# Altium PCB SEEED ORDER METER (BOOTSTRAP).PcbDoc (part 1 of 3)
Units mm, origin at the board's own origin, x right, y up, seen from the top; angles counter-clockwise.
Board outline 150 x 100 mm, 2 copper layers (Top Layer, Bottom Layer); 267 components, 189 nets, 839 pads, 266 vias.
Unrouted connection lines stored in the file: 4.
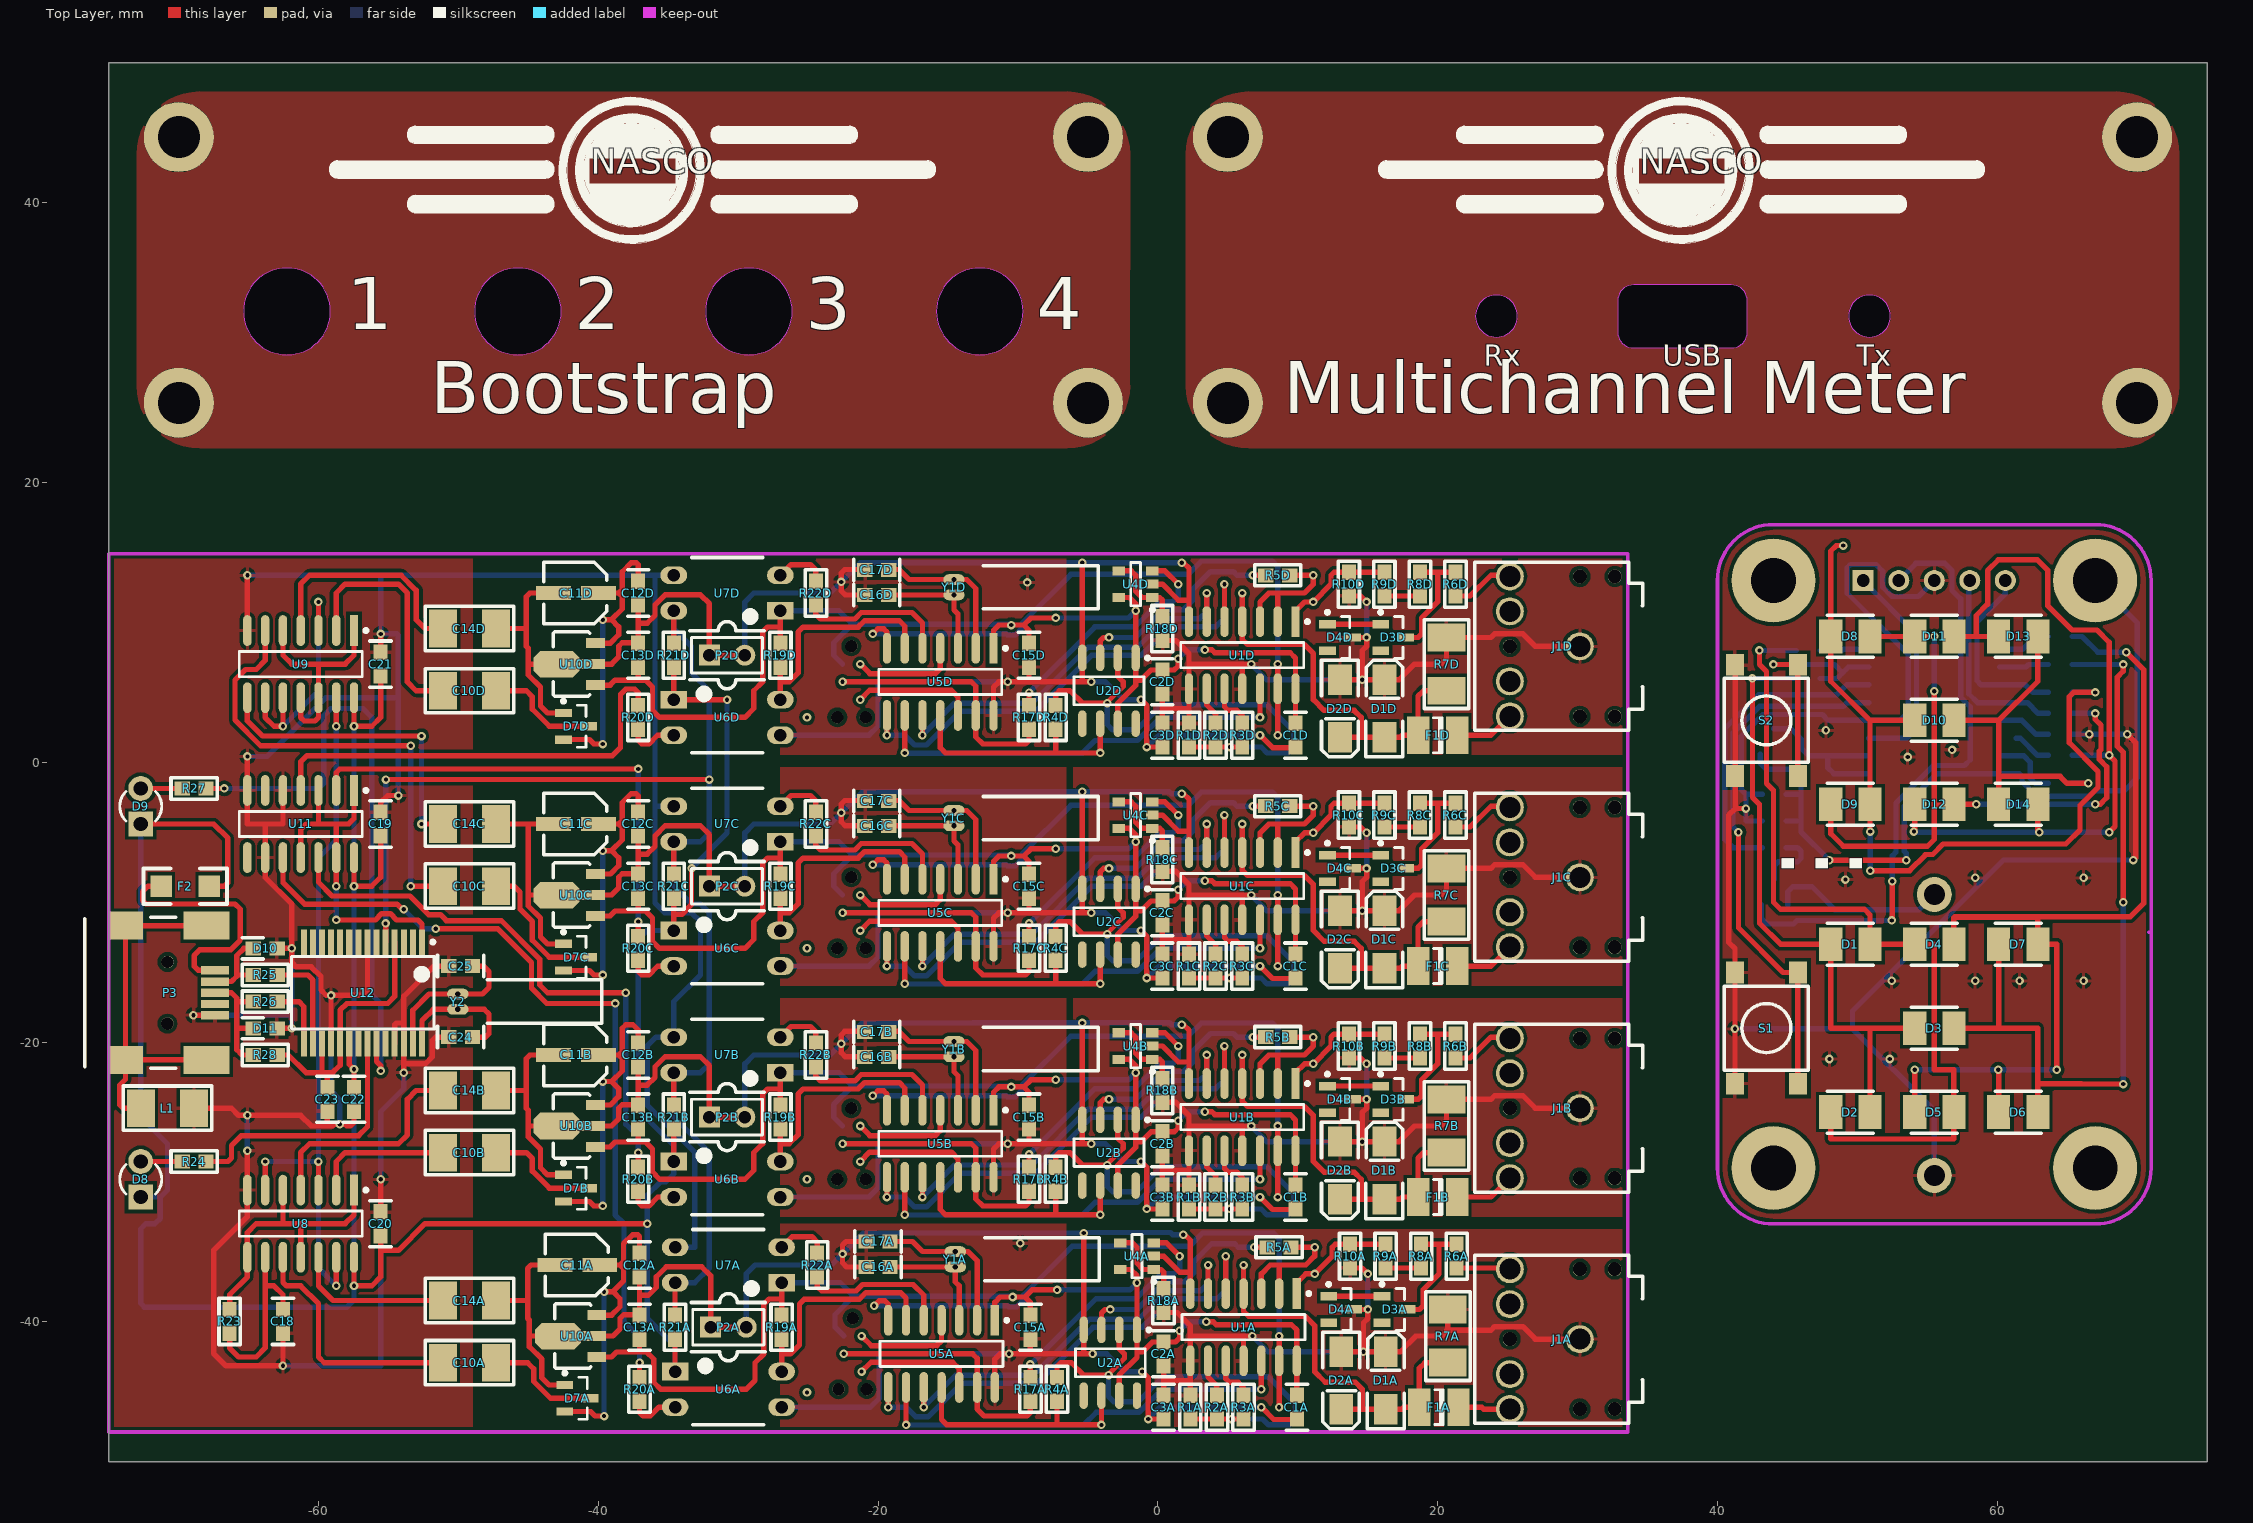
[diagram p0: Top Layer view]
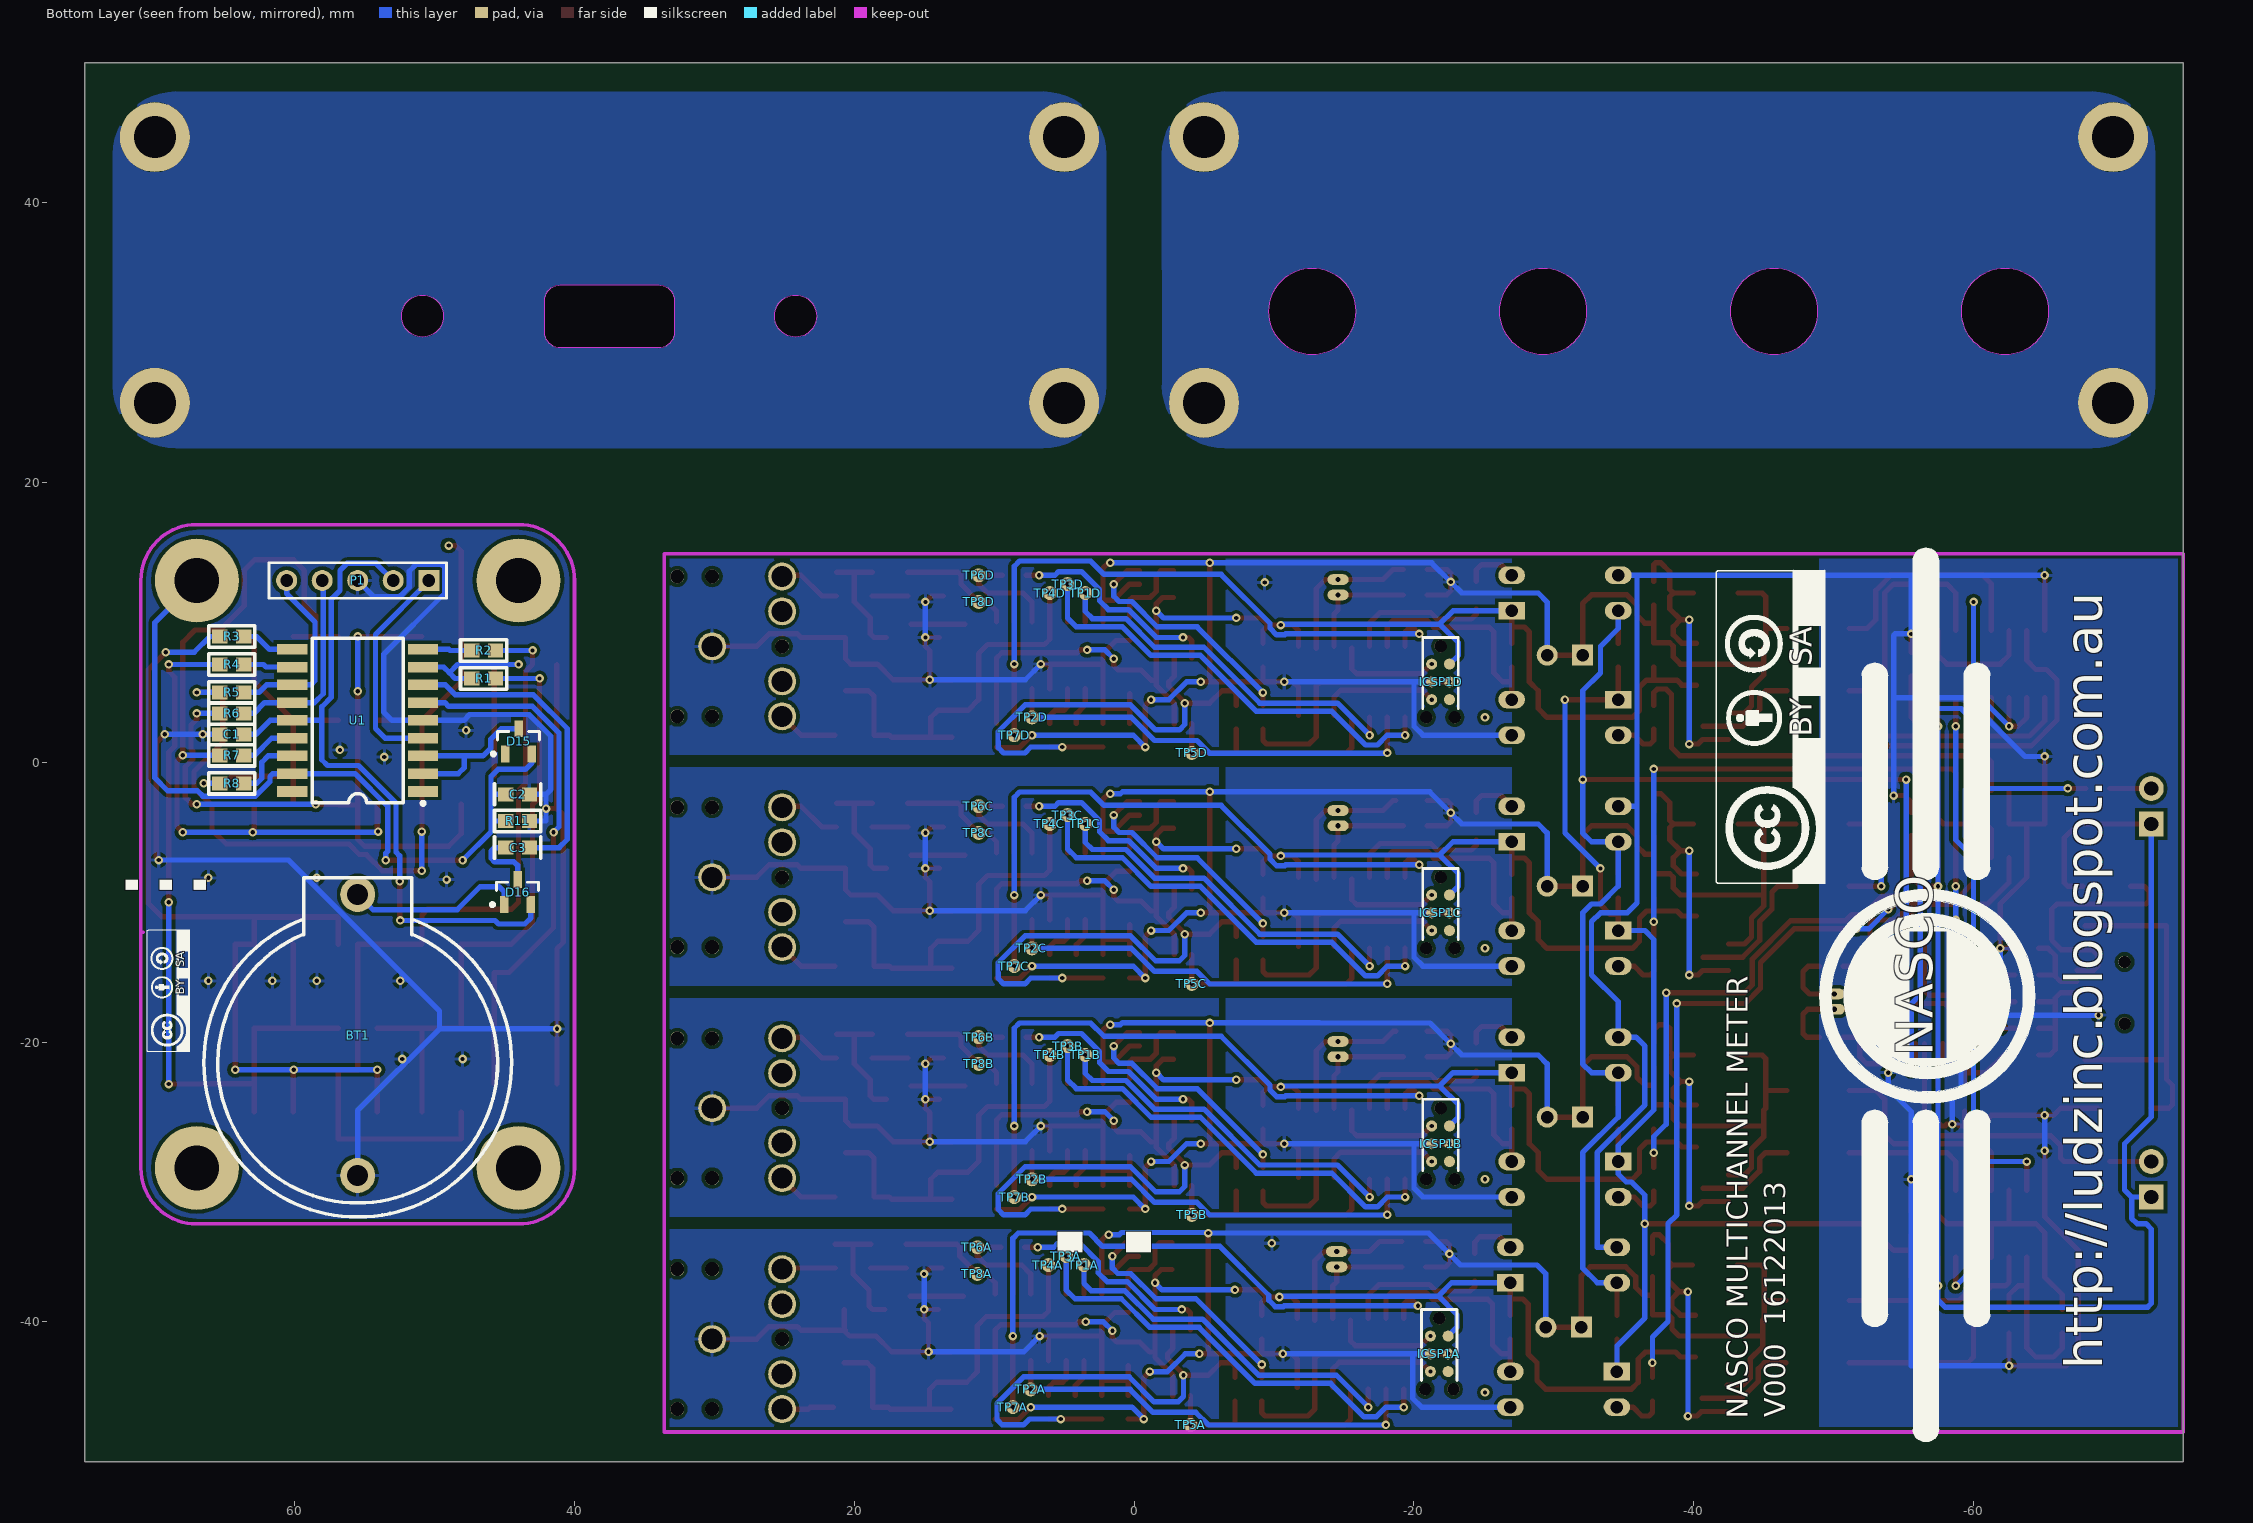
[diagram p1: Bottom Layer view, seen from below]

## Layer stack, top to bottom
Top Layer: signal copper 0.0356
Dielectric: dielectric 0.32, FR-4, Dk 4.8
Bottom Layer: signal copper 0.0356

## Board outline
-75,-50 75,-50 75,50 -75,50
cut-out: 22.7,31.9 ccw(c24.2,31.9) 24.2,30.4 ccw(c24.2,31.9) 25.7,31.9 ccw(c24.2,31.9) 24.2,33.4 ccw(c24.2,31.9)
cut-out: 49.368,31.906 ccw(c50.868,31.906) 50.868,30.406 ccw(c50.868,31.906) 52.368,31.906 ccw(c50.868,31.906) 50.868,33.406 ccw(c50.868,31.906)
cut-out: 32.873,30.75 ccw(c34,30.75) 34,29.623 41,29.623 ccw(c41,30.75) 42.127,30.75 42.127,33 ccw(c41,33) 41,34.127 34,34.127 ccw(c34,33) 32.873,33
cut-out: -15.835,32.234 ccw(c-12.735,32.234) -12.735,29.134 ccw(c-12.735,32.234) -9.635,32.234 ccw(c-12.735,32.234) -12.735,35.334 ccw(c-12.735,32.234)
cut-out: -32.345,32.234 ccw(c-29.245,32.234) -29.245,29.134 ccw(c-29.245,32.234) -26.145,32.234 ccw(c-29.245,32.234) -29.245,35.334 ccw(c-29.245,32.234)
cut-out: -48.855,32.234 ccw(c-45.755,32.234) -45.755,29.134 ccw(c-45.755,32.234) -42.655,32.234 ccw(c-45.755,32.234) -45.755,35.334 ccw(c-45.755,32.234)
cut-out: -65.365,32.234 ccw(c-62.265,32.234) -62.265,29.134 ccw(c-62.265,32.234) -59.165,32.234 ccw(c-62.265,32.234) -62.265,35.334 ccw(c-62.265,32.234)
cut-out: -65.365,32.234 ccw(c-62.265,32.234) -62.265,29.134 ccw(c-62.265,32.234) -59.165,32.234 ccw(c-62.265,32.234) -62.265,35.334 ccw(c-62.265,32.234)
cut-out: -48.855,32.234 ccw(c-45.755,32.234) -45.755,29.134 ccw(c-45.755,32.234) -42.655,32.234 ccw(c-45.755,32.234) -45.755,35.334 ccw(c-45.755,32.234)
cut-out: -32.345,32.234 ccw(c-29.245,32.234) -29.245,29.134 ccw(c-29.245,32.234) -26.145,32.234 ccw(c-29.245,32.234) -29.245,35.334 ccw(c-29.245,32.234)
cut-out: -15.835,32.234 ccw(c-12.735,32.234) -12.735,29.134 ccw(c-12.735,32.234) -9.635,32.234 ccw(c-12.735,32.234) -12.735,35.334 ccw(c-12.735,32.234)

## Design rules (kind name [scope] priority, off if disabled: settings)
Clearance [All] p1: gap=0.254
PolygonConnect [All] p1: connectstyle=Relief reliefconductorwidth=0.254 reliefentries=4 polygonreliefangle="90 Angle" airgapwidth=0.254
RoutingVias [All] p1: holewidth=0.711 width=1.27 viastyle="Through Hole" minholewidth=0.711 minwidth=1.27 maxholewidth=0.711 maxwidth=1.27
SolderMaskExpansion [All] p1: expansion=0.102
Width [All] p1: maxlimit=0.254 minlimit=0.254 preferedwidth=0.254
28 further rules are at their usual default settings.

## Components (designator, comment, footprint, x,y, rotation, side; value= is the part's Value field where it differs from the comment)
BT1 "Battery" CR2032 55.5,-21.5 r270 bottom
C1 "100nF" "CAP (3D) - 0603" 64.5,2 r0 bottom
C1A "100nF" "CAP (3D) - 0603" 9.93,-46.096 r270 top (schematic designator C1)
C1B "100nF" "CAP (3D) - 0603" 9.836,-31.077 r270 top (schematic designator C1)
C1C "100nF" "CAP (3D) - 0603" 9.836,-14.567 r270 top (schematic designator C1)
C1D "100nF" "CAP (3D) - 0603" 9.836,1.943 r270 top (schematic designator C1)
C2 "330pF" "CAP (3D) - 0603" 44.07,-2.285 r0 bottom
C2A "100nF" "CAP (3D) - 0603" 0.405,-42.286 r270 top (schematic designator C2)
C2B "100nF" "CAP (3D) - 0603" 0.311,-27.267 r270 top (schematic designator C2)
C2C "100nF" "CAP (3D) - 0603" 0.311,-10.757 r270 top (schematic designator C2)
C2D "100nF" "CAP (3D) - 0603" 0.311,5.753 r270 top (schematic designator C2)
C3 "100nF" "CAP (3D) - 0603" 44.07,-6.095 r0 bottom
C3A "100nF" "CAP (3D) - 0603" 0.405,-46.096 r270 top (schematic designator C3)
C3B "100nF" "CAP (3D) - 0603" 0.311,-31.077 r270 top (schematic designator C3)
C3C "100nF" "CAP (3D) - 0603" 0.311,-14.567 r270 top (schematic designator C3)
C3D "100nF" "CAP (3D) - 0603" 0.311,1.943 r270 top (schematic designator C3)
C10A "1uF" "RES (3D) - 1210" -49.219,-42.921 r0 top (schematic designator C10)
C10B "1uF" "RES (3D) - 1210" -49.219,-27.902 r0 top (schematic designator C10)
C10C "1uF" "RES (3D) - 1210" -49.219,-8.852 r0 top (schematic designator C10)
C10D "1uF" "RES (3D) - 1210" -49.219,5.118 r0 top (schematic designator C10)
C11A "10uF" "CAP ELECTRO SIZE-B" -41.505,-35.936 r90 top (schematic designator C11)
C11B "10uF" "CAP ELECTRO SIZE-B" -41.599,-20.917 r90 top (schematic designator C11)
C11C "10uF" "CAP ELECTRO SIZE-B" -41.599,-4.407 r90 top (schematic designator C11)
C11D "10uF" "CAP ELECTRO SIZE-B" -41.599,12.103 r90 top (schematic designator C11)
C12A "100nF" "CAP (3D) - 0603" -37.06,-35.936 r270 top (schematic designator C12)
C12B "100nF" "CAP (3D) - 0603" -37.154,-20.917 r270 top (schematic designator C12)
C12C "100nF" "CAP (3D) - 0603" -37.154,-4.407 r270 top (schematic designator C12)
C12D "100nF" "CAP (3D) - 0603" -37.154,12.103 r270 top (schematic designator C12)
C13A "100nF" "CAP (3D) - 0603" -37.06,-40.381 r90 top (schematic designator C13)
C13B "100nF" "CAP (3D) - 0603" -37.154,-25.362 r90 top (schematic designator C13)
C13C "100nF" "CAP (3D) - 0603" -37.154,-8.852 r90 top (schematic designator C13)
C13D "100nF" "CAP (3D) - 0603" -37.154,7.658 r90 top (schematic designator C13)
C14A "1uF" "RES (3D) - 1210" -49.219,-38.476 r0 top (schematic designator C14)
C14B "1uF" "RES (3D) - 1210" -49.219,-23.457 r0 top (schematic designator C14)
C14C "1uF" "RES (3D) - 1210" -49.219,-4.407 r0 top (schematic designator C14)
C14D "1uF" "RES (3D) - 1210" -49.219,9.563 r0 top (schematic designator C14)
C15A "100nF" "CAP (3D) - 0603" -9.12,-40.381 r270 top (schematic designator C15)
C15B "100nF" "CAP (3D) - 0603" -9.214,-25.362 r270 top (schematic designator C15)
C15C "100nF" "CAP (3D) - 0603" -9.214,-8.852 r270 top (schematic designator C15)
C15D "100nF" "CAP (3D) - 0603" -9.214,7.658 r270 top (schematic designator C15)
C16A "15pF" "CAP (3D) - 0603" -20.009,-36.072 r0 top (schematic designator C16)
C16B "15pF" "CAP (3D) - 0603" -20.103,-21.053 r0 top (schematic designator C16)
C16C "15pF" "CAP (3D) - 0603" -20.103,-4.543 r0 top (schematic designator C16)
C16D "15pF" "CAP (3D) - 0603" -20.103,11.967 r0 top (schematic designator C16)
C17A "15pF" "CAP (3D) - 0603" -20.009,-34.252 r0 top (schematic designator C17)
C17B "15pF" "CAP (3D) - 0603" -20.103,-19.266 r0 top (schematic designator C17)
C17C "15pF" "CAP (3D) - 0603" -20.103,-2.756 r0 top (schematic designator C17)
C17D "15pF" "CAP (3D) - 0603" -20.103,13.754 r0 top (schematic designator C17)
C18 "Cap" "CAP (3D) - 0603" -62.554,-39.967 r90 top
C19 "100nF" "CAP (3D) - 0603" -55.569,-4.407 r90 top
C20 "100nF" "CAP (3D) - 0603" -55.569,-32.982 r90 top
C21 "100nF" "CAP (3D) - 0603" -55.569,7.023 r90 top
C22 "100nF" "CAP (3D) - 0603" -57.474,-24.092 r90 top
C23 "100nF" "CAP (3D) - 0603" -59.379,-24.092 r90 top
C24 "22pF" "CAP (3D) - 0603" -49.854,-19.647 r0 top
C25 "22pF" "CAP (3D) - 0603" -49.854,-14.567 r0 top
D1 "LED (RED)" PLCC_2 49.5,-13 r180 top
D1A "S1M" DO-214AC 16.28,-44.191 r90 top (schematic designator D1)
D1B "S1M" DO-214AC 16.186,-29.172 r90 top (schematic designator D1)
D1C "S1M" DO-214AC 16.186,-12.662 r90 top (schematic designator D1)
D1D "S1M" DO-214AC 16.186,3.848 r90 top (schematic designator D1)
D2 "LED (RED)" PLCC_2 49.5,-25 r180 top
D2A "S1M" DO-214AC 13.105,-44.191 r270 top (schematic designator D2)
D2B "S1M" DO-214AC 13.011,-29.172 r270 top (schematic designator D2)
D2C "S1M" DO-214AC 13.011,-12.662 r270 top (schematic designator D2)
D2D "S1M" DO-214AC 13.011,3.848 r270 top (schematic designator D2)
D3 "LED (RED)" PLCC_2 55.5,-19 r180 top
D3A "5V1" SOT23-3L 16.915,-39.111 r0 top (schematic designator D3)
D3B "5V1" SOT23-3L 16.821,-24.092 r0 top (schematic designator D3)
D3C "5V1" SOT23-3L 16.821,-7.582 r0 top (schematic designator D3)
D3D "5V1" SOT23-3L 16.821,8.928 r0 top (schematic designator D3)
D4 "LED (RED)" PLCC_2 55.5,-13 r180 top
D4A "5V1" SOT23-3L 13.105,-39.111 r0 top (schematic designator D4)
D4B "5V1" SOT23-3L 13.011,-24.092 r0 top (schematic designator D4)
D4C "5V1" SOT23-3L 13.011,-7.582 r0 top (schematic designator D4)
D4D "5V1" SOT23-3L 13.011,8.928 r0 top (schematic designator D4)
D5 "LED (RED)" PLCC_2 55.5,-25 r180 top
D6 "LED (RED)" PLCC_2 61.5,-25 r180 top
D7 "LED (RED)" PLCC_2 61.5,-13 r180 top
D7A "1PS70SB14" SOT23-3L -41.505,-45.461 r0 top (schematic designator D7)
D7B "1PS70SB14" SOT23-3L -41.599,-30.442 r0 top (schematic designator D7)
D7C "1PS70SB14" SOT23-3L -41.599,-13.932 r0 top (schematic designator D7)
D7D "1PS70SB14" SOT23-3L -41.599,2.578 r0 top (schematic designator D7)
D8 "LED (RED)" "LED(3D) 3MM VERTICAL (RED)" -72.714,-29.807 r270 top
D8 "LED (RED)" PLCC_2 49.5,9 r180 top
D9 "LED (GREEN)" "LED(3D) 3MM VERTICAL (GREEN)" -72.714,-3.137 r270 top
D9 "LED (RED)" PLCC_2 49.5,-3 r180 top
D10 "TVS" "TVS (3D) - 0603" -63.824,-13.297 r0 top
D10 "LED (RED)" PLCC_2 55.5,3 r180 top
D11 "TVS" "TVS (3D) - 0603" -63.824,-19.012 r0 top
D11 "LED (RED)" PLCC_2 55.5,9 r180 top
D12 "LED (RED)" PLCC_2 55.5,-3 r180 top
D13 "LED (RED)" PLCC_2 61.5,9 r180 top
D14 "LED (RED)" PLCC_2 61.5,-3 r180 top
D15 "BAV99" SOT23-3L 44,1.5 r90 bottom
D16 "BAV99" SOT23-3L 44.07,-9.27 r90 bottom
F1A "1.1A" "LITTELFUSE 1210" 20.09,-46.096 r180 top (schematic designator F1)
F1B "1.1A" "LITTELFUSE 1210" 19.996,-31.077 r180 top (schematic designator F1)
F1C "1.1A" "LITTELFUSE 1210" 19.996,-14.567 r180 top (schematic designator F1)
F1D "1.1A" "LITTELFUSE 1210" 19.996,1.943 r180 top (schematic designator F1)
F2 "160mA" 1206 -69.539,-8.852 r0 top
ICSP1A "TAG CONNECT" "ICSP - TAG CONNECT TYPE2" -21.82,-39.746 r90 bottom (schematic designator ICSP1)
ICSP1B "TAG CONNECT" "ICSP - TAG CONNECT TYPE2" -21.914,-24.727 r90 bottom (schematic designator ICSP1)
ICSP1C "TAG CONNECT" "ICSP - TAG CONNECT TYPE2" -21.914,-8.217 r90 bottom (schematic designator ICSP1)
ICSP1D "TAG CONNECT" "ICSP - TAG CONNECT TYPE2" -21.914,8.293 r90 bottom (schematic designator ICSP1)
J1A "3.5mm Stereo" "3.5MM pcb mouNt" 30.156,-41.237 r180 top (schematic designator J1)
J1B "3.5mm Stereo" "3.5MM pcb mouNt" 30.156,-24.727 r180 top (schematic designator J1)
J1C "3.5mm Stereo" "3.5MM pcb mouNt" 30.156,-8.217 r180 top (schematic designator J1)
J1D "3.5mm Stereo" "3.5MM pcb mouNt" 30.156,8.293 r180 top locked (schematic designator J1)
L1 "BEAD" "RES (3D) - 1210" -70.809,-24.727 r0 top
P1 "Header 5" HDR1X5 50.42,13 r0 bottom
P2A "TEST" HDR1X2 -31.98,-40.381 r0 top (schematic designator P2)
P2B "TEST" HDR1X2 -32.074,-25.362 r0 top (schematic designator P2)
P2C "TEST" HDR1X2 -32.074,-8.852 r0 top (schematic designator P2)
P2D "TEST" HDR1X2 -32.074,7.658 r0 top (schematic designator P2)
P3 "MINI USB" "MINI USB" -70.809,-16.472 r270 top
R1 "470R" "RES (3D) - 0603" 46.5,6 r0 bottom
R1A "99k" "RES (3D) - 0603" 2.31,-46.096 r90 top (schematic designator R1)
R1B "99k" "RES (3D) - 0603" 2.216,-31.077 r90 top (schematic designator R1)
R1C "99k" "RES (3D) - 0603" 2.216,-14.567 r90 top (schematic designator R1)
R1D "99k" "RES (3D) - 0603" 2.216,1.943 r90 top (schematic designator R1)
R2 "470R" "RES (3D) - 0603" 46.5,8 r0 bottom
R2A "11k" "RES (3D) - 0603" 4.215,-46.096 r90 top (schematic designator R2)
R2B "11k" "RES (3D) - 0603" 4.121,-31.077 r90 top (schematic designator R2)
R2C "11k" "RES (3D) - 0603" 4.121,-14.567 r90 top (schematic designator R2)
R2D "11k" "RES (3D) - 0603" 4.121,1.943 r90 top (schematic designator R2)
R3 "470R" "RES (3D) - 0603" 64.5,9 r180 bottom
R3A "1k" "RES (3D) - 0603" 6.12,-46.096 r90 top (schematic designator R3)
R3B "1k" "RES (3D) - 0603" 6.026,-31.077 r90 top (schematic designator R3)
R3C "1k" "RES (3D) - 0603" 6.026,-14.567 r90 top (schematic designator R3)
R3D "1k" "RES (3D) - 0603" 6.026,1.943 r90 top (schematic designator R3)
R4 "470R" "RES (3D) - 0603" 64.5,7 r180 bottom
R4A "99k" "RES (3D) - 0603" -7.215,-44.826 r90 top (schematic designator R4)
R4B "99k" "RES (3D) - 0603" -7.309,-29.807 r90 top (schematic designator R4)
R4C "99k" "RES (3D) - 0603" -7.309,-13.297 r90 top (schematic designator R4)
R4D "99k" "RES (3D) - 0603" -7.309,3.213 r90 top (schematic designator R4)
R5 "470R" "RES (3D) - 0603" 64.5,5 r180 bottom
R5A "100R" "RES (3D) - 0603" 8.66,-34.666 r0 top (schematic designator R5)
R5B "100R" "RES (3D) - 0603" 8.566,-19.647 r0 top (schematic designator R5)
R5C "100R" "RES (3D) - 0603" 8.566,-3.137 r0 top (schematic designator R5)
R5D "100R" "RES (3D) - 0603" 8.566,13.373 r0 top (schematic designator R5)
R6 "470R" "RES (3D) - 0603" 64.5,3.5 r180 bottom
R6A "9M1" "RES (3D) - 0603" 21.36,-35.301 r270 top (schematic designator R6)
R6B "9M1" "RES (3D) - 0603" 21.266,-20.282 r270 top (schematic designator R6)
R6C "9M1" "RES (3D) - 0603" 21.266,-3.772 r270 top (schematic designator R6)
R6D "9M1" "RES (3D) - 0603" 21.266,12.738 r270 top (schematic designator R6)
R7 "470R" "RES (3D) - 0603" 64.5,0.5 r180 bottom
R7A "SHUNT" "RES (3D) - 1210" 20.725,-41.016 r270 top (schematic designator R7)
R7B "SHUNT" "RES (3D) - 1210" 20.631,-25.997 r270 top (schematic designator R7)
R7C "SHUNT" "RES (3D) - 1210" 20.631,-9.487 r270 top (schematic designator R7)
R7D "SHUNT" "RES (3D) - 1210" 20.631,7.023 r270 top (schematic designator R7)
R8 "470R" "RES (3D) - 0603" 64.5,-1.5 r180 bottom
R8A "330K" "RES (3D) - 0603" 18.82,-35.301 r90 top (schematic designator R8)
R8B "330K" "RES (3D) - 0603" 18.726,-20.282 r90 top (schematic designator R8)
R8C "330K" "RES (3D) - 0603" 18.726,-3.772 r90 top (schematic designator R8)
R8D "330K" "RES (3D) - 0603" 18.726,12.738 r90 top (schematic designator R8)
R9A "470K" "RES (3D) - 0603" 16.28,-35.301 r270 top (schematic designator R9)
R9B "470K" "RES (3D) - 0603" 16.186,-20.282 r270 top (schematic designator R9)
R9C "470K" "RES (3D) - 0603" 16.186,-3.772 r270 top (schematic designator R9)
R9D "470K" "RES (3D) - 0603" 16.186,12.738 r270 top (schematic designator R9)
R10A "100K" "RES (3D) - 0603" 13.74,-35.301 r90 top (schematic designator R10)
R10B "100K" "RES (3D) - 0603" 13.646,-20.282 r90 top (schematic designator R10)
R10C "100K" "RES (3D) - 0603" 13.646,-3.772 r90 top (schematic designator R10)
R10D "100K" "RES (3D) - 0603" 13.646,12.738 r90 top (schematic designator R10)
R11 "220K" "RES (3D) - 0603" 44.07,-4.19 r180 bottom
R17A "1k" "RES (3D) - 0603" -9.12,-44.826 r90 top (schematic designator R17)
R17B "1k" "RES (3D) - 0603" -9.214,-29.807 r90 top (schematic designator R17)
R17C "1k" "RES (3D) - 0603" -9.214,-13.297 r90 top (schematic designator R17)
R17D "1k" "RES (3D) - 0603" -9.214,3.213 r90 top (schematic designator R17)
R18A "100R" "RES (3D) - 0603" 0.405,-38.476 r90 top (schematic designator R18)
R18B "100R" "RES (3D) - 0603" 0.311,-23.457 r90 top (schematic designator R18)
R18C "100R" "RES (3D) - 0603" 0.311,-6.947 r90 top (schematic designator R18)
R18D "100R" "RES (3D) - 0603" 0.311,9.563 r90 top (schematic designator R18)
R19A "10k" "RES (3D) - 0603" -26.9,-40.381 r90 top (schematic designator R19)
R19B "10k" "RES (3D) - 0603" -26.994,-25.362 r90 top (schematic designator R19)
R19C "10k" "RES (3D) - 0603" -26.994,-8.852 r90 top (schematic designator R19)
R19D "10k" "RES (3D) - 0603" -26.994,7.658 r90 top (schematic designator R19)
R20A "470R" "RES (3D) - 0603" -37.06,-44.826 r90 top (schematic designator R20)
R20B "470R" "RES (3D) - 0603" -37.154,-29.807 r90 top (schematic designator R20)
R20C "470R" "RES (3D) - 0603" -37.154,-13.297 r90 top (schematic designator R20)
R20D "470R" "RES (3D) - 0603" -37.154,3.213 r90 top (schematic designator R20)
R21A "10k" "RES (3D) - 0603" -34.52,-40.381 r270 top (schematic designator R21)
R21B "10k" "RES (3D) - 0603" -34.614,-25.362 r270 top (schematic designator R21)
R21C "10k" "RES (3D) - 0603" -34.614,-8.852 r270 top (schematic designator R21)
R21D "10k" "RES (3D) - 0603" -34.614,7.658 r270 top (schematic designator R21)
R22A "470R" "RES (3D) - 0603" -24.36,-35.936 r90 top (schematic designator R22)
R22B "470R" "RES (3D) - 0603" -24.454,-20.917 r90 top (schematic designator R22)
R22C "470R" "RES (3D) - 0603" -24.454,-4.407 r90 top (schematic designator R22)
R22D "470R" "RES (3D) - 0603" -24.454,12.103 r90 top (schematic designator R22)
R23 "22k" "RES (3D) - 0603" -66.364,-39.967 r90 top
R24 "470R" "RES (3D) - 0603" -68.904,-28.537 r0 top
R25 "22R" "RES (3D) - 0603" -63.824,-15.202 r180 top
R26 "22R" "RES (3D) - 0603" -63.824,-17.107 r180 top
R27 "470R" "RES (3D) - 0603" -68.904,-1.867 r0 top
R28 "1k5" "RES (3D) - 0603" -63.824,-20.917 r0 top
S1 "SWITCH" "TACT 6mm" 43.5,-19 r270 top
S2 "SWITCH" "TACT 6mm" 43.5,3 r270 top
TP1A "TestPoint" TP 3.58,-35.936 r270 bottom (schematic designator TP1)
TP1B "TestPoint" TP 3.486,-20.917 r270 bottom (schematic designator TP1)
TP1C "TestPoint" TP 3.486,-4.407 r270 bottom (schematic designator TP1)
TP1D "TestPoint" TP 3.486,12.103 r270 bottom (schematic designator TP1)
TP2A "TestPoint" TP 7.39,-44.826 r270 bottom (schematic designator TP2)
TP2B "TestPoint" TP 7.296,-29.807 r270 bottom (schematic designator TP2)
TP2C "TestPoint" TP 7.296,-13.297 r270 bottom (schematic designator TP2)
TP2D "TestPoint" TP 7.296,3.213 r270 bottom (schematic designator TP2)
TP3A "TestPoint" TP 4.85,-35.301 r270 bottom (schematic designator TP3)
TP3B "TestPoint" TP 4.756,-20.282 r270 bottom (schematic designator TP3)
TP3C "TestPoint" TP 4.756,-3.772 r270 bottom (schematic designator TP3)
TP3D "TestPoint" TP 4.756,12.738 r270 bottom (schematic designator TP3)
TP4A "TestPoint" TP 6.12,-35.936 r270 bottom (schematic designator TP4)
TP4B "TestPoint" TP 6.026,-20.917 r270 bottom (schematic designator TP4)
TP4C "TestPoint" TP 6.026,-4.407 r270 bottom (schematic designator TP4)
TP4D "TestPoint" TP 6.026,12.103 r270 bottom (schematic designator TP4)
TP5A "TestPoint" TP -4.04,-47.366 r270 bottom (schematic designator TP5)
TP5B "TestPoint" TP -4.134,-32.347 r270 bottom (schematic designator TP5)
TP5C "TestPoint" TP -4.134,-15.837 r270 bottom (schematic designator TP5)
TP5D "TestPoint" TP -4.134,0.673 r270 bottom (schematic designator TP5)
TP6A "TestPoint" TP 11.2,-34.666 r270 bottom (schematic designator TP6)
TP6B "TestPoint" TP 11.106,-19.647 r270 bottom (schematic designator TP6)
TP6C "TestPoint" TP 11.106,-3.137 r270 bottom (schematic designator TP6)
TP6D "TestPoint" TP 11.106,13.373 r270 bottom (schematic designator TP6)
TP7A "TestPoint" TP 8.66,-46.096 r270 bottom (schematic designator TP7)
TP7B "TestPoint" TP 8.566,-31.077 r270 bottom (schematic designator TP7)
TP7C "TestPoint" TP 8.566,-14.567 r270 bottom (schematic designator TP7)
TP7D "TestPoint" TP 8.566,1.943 r270 bottom (schematic designator TP7)
TP8A "TestPoint" TP 11.2,-36.571 r270 bottom (schematic designator TP8)
TP8B "TestPoint" TP 11.106,-21.552 r270 bottom (schematic designator TP8)
TP8C "TestPoint" TP 11.106,-5.042 r270 bottom (schematic designator TP8)
TP8D "TestPoint" TP 11.106,11.468 r270 bottom (schematic designator TP8)
U1 "PIC16F648A" SOIC-18 55.5,3 r90 bottom
U1A "74HC4066" D014_N 6.12,-40.381 r180 top (schematic designator U1)
U1B "74HC4066" D014_N 6.026,-25.362 r180 top (schematic designator U1)
U1C "74HC4066" D014_N 6.026,-8.852 r180 top (schematic designator U1)
U1D "74HC4066" D014_N 6.026,7.658 r180 top (schematic designator U1)
U2A "MAX4238ASA+" SO-8 -3.405,-42.921 r270 top (schematic designator U2)
U2B "MAX4238ASA+" SO-8 -3.499,-27.902 r270 top (schematic designator U2)
U2C "MAX4238ASA+" SO-8 -3.499,-11.392 r270 top (schematic designator U2)
U2D "MAX4238ASA+" SO-8 -3.499,5.118 r270 top (schematic designator U2)
U4A "MCP6L02" SOT23-5AL -1.5,-35.301 r180 top (schematic designator U4)
U4B "MCP6L02" SOT23-5AL -1.594,-20.282 r180 top (schematic designator U4)
U4C "MCP6L02" SOT23-5AL -1.594,-3.772 r180 top (schematic designator U4)
U4D "MCP6L02" SOT23-5AL -1.594,12.738 r180 top (schematic designator U4)
U5A "PIC16F1823-I/SL" SOIC-14 -15.47,-42.286 r180 top (schematic designator U5)
U5B "PIC16F1823-I/SL" SOIC-14 -15.564,-27.267 r180 top (schematic designator U5)
U5C "PIC16F1823-I/SL" SOIC-14 -15.564,-10.757 r180 top (schematic designator U5)
U5D "PIC16F1823-I/SL" SOIC-14 -15.564,5.753 r180 top (schematic designator U5)
U6A "OPTO FL817" DIP_4 -30.71,-44.826 r0 top (schematic designator U6)
U6B "OPTO FL817" DIP_4 -30.804,-29.807 r0 top (schematic designator U6)
U6C "OPTO FL817" DIP_4 -30.804,-13.297 r0 top (schematic designator U6)
U6D "OPTO FL817" DIP_4 -30.804,3.213 r0 top (schematic designator U6)
U7A "OPTO FL817" DIP_4 -30.71,-35.936 r180 top (schematic designator U7)
U7B "OPTO FL817" DIP_4 -30.804,-20.917 r180 top (schematic designator U7)
U7C "OPTO FL817" DIP_4 -30.804,-4.407 r180 top (schematic designator U7)
U7D "OPTO FL817" DIP_4 -30.804,12.103 r180 top (schematic designator U7)
U8 "SN74AHC04D" SOIC-14 -61.284,-32.982 r180 top
U9 "SN74AHC04D" SOIC-14 -61.284,7.023 r180 top
U10A "UA78L05CPK" SOT89 -41.505,-41.016 r90 top (schematic designator U10)
U10B "UA78L05CPK" SOT89 -41.599,-25.997 r90 top (schematic designator U10)
U10C "UA78L05CPK" SOT89 -41.599,-9.487 r90 top (schematic designator U10)
U10D "UA78L05CPK" SOT89 -41.599,7.023 r90 top (schematic designator U10)
U11 "SN74AHC04D" SOIC-14 -61.284,-4.407 r180 top
U12 "PL2303" SSOP28 -56.839,-16.472 r180 top
Y1A "XTAL" "CRYSTAL 3x8"#1 -12.389,-35.522 r0 top (schematic designator Y1)
Y1B "XTAL" "CRYSTAL 3x8"#1 -12.483,-20.503 r0 top (schematic designator Y1)
Y1C "XTAL" "CRYSTAL 3x8"#1 -12.483,-3.993 r0 top (schematic designator Y1)
Y1D "XTAL" "CRYSTAL 3x8"#1 -12.483,12.517 r0 top (schematic designator Y1)
Y2 "XTAL" "CRYSTAL 3x8"#2 -47.949,-17.107 r0 top

## Footprints (in the part's own frame and the unit in brackets; to place one, negate y for a bottom-side part, rotate by r counter-clockwise, add the part's x,y. Pads: shape width x height; smd on the part's side, far side on the other; paste and mask are expansions set on the pad)
"3.5MM pcb mouNt" [mm]
  round 1 hole 1: 0(-2.5,5) 0(-2.5,-5) 0(0,5) 0(0,-5) 0(5,0)
  round 2 hole 1.5: 1(0,0) 2(5,-5) 3(5,-2.5) 4(5,2.5) 5(5,5)
  silkscreen extent -4.5,-6.01 7.5,6.01, body extent -6.55,-6 7.5,6, height 5.52
1206 [mil]
  rect 60x60 smd: 1(-67.5,0) 2(67.5,0)
  silkscreen extent -118,-50 118,50, body extent -63,-31 63,31, height 22
"CAP (3D) - 0603" [mm]
  rect 1.1x1 smd: 1(0.85,0) 2(-0.85,0)
  silkscreen extent -1.65,-0.76 1.65,0.76, body extent -0.8,-0.4 0.8,0.4, height 0.92
"CAP ELECTRO SIZE-B" [mm]
  rect 1x2.5 smd: 1(0,-1.6) 2(0,1.6)
  silkscreen extent -2.2,-2.2 2.2,2.3, body extent -2.15,-2.3 2.15,2.3, height 5.4
CR2032 [mm]
  round 2.5 hole 1.5: 1(-12.05,0) 2(8.035,0)
  silkscreen extent -13.25,-11 11,11
"CRYSTAL 3x8"#1 [mil]
  oval 60x30 hole 15: 1(-82.68,-21.65) 2(-82.68,21.65)
  silkscreen extent 0,-61 323,61, body extent -116,-61 323,61, height 120
"CRYSTAL 3x8"#2 [mil]
  oval 60x30 hole 15: 1(-82.68,21.65) 2(-82.68,-21.65)
  silkscreen extent 0,-61 323,61, body extent -116,-61 323,61, height 120
D014_N [mm] "SOIC, 14-Leads, Body 8.7x3.9mm, Pitch 1.27mm, IPC Medium Density"
  rect 0.6x2.2 smd: 1(-3.81,-2.4)
  oval 0.6x2.2 smd: 2(-2.54,-2.4) 3(-1.27,-2.4) 4(0,-2.4) 5(1.27,-2.4) 6(2.54,-2.4) 7(3.81,-2.4) 8(3.81,2.4) 9(2.54,2.4) 10(1.27,2.4) 11(0,2.4) 12(-1.27,2.4) 13(-2.54,2.4) 14(-3.81,2.4)
  silkscreen extent -4.79,-2.52 4.4,0.9, body extent -4.37,-3 4.38,3, height 1.75
DIP_4 [mm]
  rect 1.905x1.27 hole 0.9: 1(-3.81,1.27)
  oval 1.905x1.27 hole 0.9: 2(-3.81,-1.27) 3(3.81,-1.27) 4(3.81,1.27)
  silkscreen extent -2.65,-2.54 2.65,2.68, body extent -4,-2.92 4,2.62, height 4.31
DO-214AC [mil]
  rect 85x67 smd: 1(-81,0) 2(81,0)
  silkscreen extent -136,-52 136,52, body extent -79,-39 79,39, height 61
HDR1X2 [mm] "Connector; Header; 2 Position"
  rect 1.5x1.5 hole 0.9: 1(0,0)
  round 1.5 hole 0.9: 2(2.54,0)
  silkscreen extent -1.27,-1.27 3.81,1.27
HDR1X5 [mm] "Connector; Header; 5 Position"
  rect 1.5x1.5 hole 0.9: 1(0,0)
  round 1.5 hole 0.9: 2(2.54,0) 3(5.08,0) 4(7.62,0) 5(10.16,0)
  silkscreen extent -1.27,-1.27 11.43,1.27
"ICSP - TAG CONNECT TYPE2" [mil] "ICSP - TAG CONNECT - TYPE 2"
  round 31 smd paste-40: 1(-50,25) 2(-50,-25) 3(-100,25) 4(-100,-25) 5(-150,25) 6(-150,-25)
  round 34 hole 35 unplated: A(0,0) B(-200,-40) C(-200,40)
  silkscreen extent -175,-50 25,50
"LED(3D) 3MM VERTICAL (GREEN)" [mil]
  rect 70x70 hole 40: 1(50.06,-0.28)
  round 70 hole 40: 2(-49.94,-0.28)
  silkscreen extent -42,-59 42,59, body extent -65,-65 61,64, height 196
"LED(3D) 3MM VERTICAL (RED)" [mil]
  rect 70x70 hole 40: 1(50.06,-0.28)
  round 70 hole 40: 2(-49.94,-0.28)
  silkscreen extent -42,-59 42,59, body extent -66,-66 61,64, height 207
"LITTELFUSE 1210" [mm] "Chip Capacitor; Body 3.2 x 2.5 mm (LxW typ)"
  rect 1.6x2.7 smd: 1(-1.4,0) 2(1.4,0)
  silkscreen extent -0.3,-1.25 0.3,1.25, body extent -1.61,-1.29 1.61,1.29, height 0.67
"MINI USB" [mm] "KEYSTONE ELECTRONICS 934"
  rect 2x3.3 smd: 0(-4.8,2.8) 0(4.8,2.8)
  rect 2x2.5 smd: 0(-4.8,-3) 0(4.8,-3)
  rect 0.6x2 smd: 1(-1.6,3.4) 2(-0.8,3.4) 3(0,3.4) 4(0.8,3.4) 5(1.6,3.4)
  round 0.89 hole 0.89 unplated: MT(-2.2,0) MT(2.2,0)
  silkscreen extent -5.4,-5.9 5.4,0.6, body extent -5.35,-5.9 5.35,3.3, height 3.97
PLCC_2 [mm]
  rect 1.65x2.41 smd: 1(-1.4,0) 2(1.4,0)
  silkscreen extent -1.65,-1.5 1.65,1.5, body extent -1.85,-1.5 1.85,1.5, height 2.15
"RES (3D) - 0603" [mm]
  rect 1.1x1 smd: 1(0.85,0) 2(-0.85,0)
  silkscreen extent -1.65,-0.76 1.65,0.76, body extent -0.8,-0.4 0.8,0.4, height 0.92
"RES (3D) - 1210" [mm] "Chip Diode; Body 3.2 x 2.5 mm (LxW typ)"
  rect 2x2.7 smd: 1(-1.905,0) 2(1.905,0)
  silkscreen extent -3.17,-1.59 3.17,1.59, body extent -2,-1.24 2,1.24, height 1.7
SO-8 [mm] "SOIC, 8-Leads, Body 4.9x3.9mm, Pitch 1.27mm, IPC High Density"
  oval 1.9x0.6 smd: 1(-2.35,1.905) 2(-2.35,0.635) 3(-2.35,-0.635) 4(-2.35,-1.905) 5(2.35,-1.905) 6(2.35,-0.635) 7(2.35,0.635) 8(2.35,1.905)
  silkscreen extent -2.47,-2.5 1,2.88, body extent -2.9,-2.45 3.1,2.45, height 1.75
SOIC-14 [mm] "SOIC-14  NARROW BODY"
  rect 0.6x2.2 smd: 1(-3.81,-2.4)
  oval 0.6x2.2 smd: 2(-2.54,-2.4) 3(-1.27,-2.4) 4(0,-2.4) 5(1.27,-2.4) 6(2.54,-2.4) 7(3.81,-2.4) 8(3.81,2.4) 9(2.54,2.4) 10(1.27,2.4) 11(0,2.4) 12(-1.27,2.4) 13(-2.54,2.4) 14(-3.81,2.4)
  silkscreen extent -4.79,-2.52 4.4,0.9, body extent -4.37,-3 4.38,3, height 1.75
SOIC-18 [mil]
  rect 30x85 smd: 1(-200,-184.05) 2(-150,-184.05) 3(-100,-184.05) 4(-50,-184.05) 5(0,-184.05) 6(50,-184.05) 7(100,-184.05) 8(150,-184.05) 9(200,-184.05) 10(200,184.06) 11(150,184.06) 12(100,184.06) 13(50,184.06) 14(0,184.06) 15(-50,184.06) 16(-100,184.06) 17(-150,184.06) 18(-200,184.06)
  silkscreen extent -238,-189 231,128, body extent -236,-148 236,148, height 100
SOT23-3L [mm] "SOT23, 3-Leads, Body 2.9x1.3mm, Pitch 0.95mm, Lead Span 2.5mm, IPC High Density"
  rect 1.2x0.6 smd: 1(-0.9,0.95) 2(-0.9,-0.95) 3(0.9,0)
  silkscreen extent -1.02,-1.5 0.7,1.92, body extent -1.25,-1.5 1.25,1.5, height 1.12
SOT23-5AL [mm] "SOT23, 5-Leads, Body 2.9x1.6mm, Pitch 0.95mm, Lead Span 2.8mm, IPC High Density"
  rect 0.9x0.65 smd: 1(-1.2,0.95) 2(-1.2,0) 3(-1.2,-0.95) 4(1.2,-0.95) 5(1.2,0.95)
  silkscreen extent -1.33,-1.55 0.35,1.95, body extent -1.17,-1.46 1.17,1.46, height 1
SOT89 [mm]
  rect 0.7x1.35 smd: 1(1.5,-1.388) 3(-1.5,-1.388)
  rect 0.7x1.8 smd: 2(0,-1.163)
  oct 1.9x3.3 smd: 2(0,1.388)
  silkscreen extent -2.3,-0.97 2.3,1.63, body extent -2.3,-1.9 2.3,2.35, height 1.62
SSOP28 [mil]
  rect 17x72 smd: 1(-166.34,-142.72) 2(-140.75,-142.72) 3(-115.16,-142.72) 4(-89.57,-142.72) 5(-63.98,-142.72) 6(-38.39,-142.72) 7(-12.8,-142.72) 8(12.8,-142.72) 9(38.38,-142.72) 10(63.97,-142.72) 11(89.56,-142.72) 12(115.15,-142.72) 13(140.74,-142.72) 14(166.33,-142.72) 15(166.33,142.72) 16(140.74,142.72) 17(115.15,142.72) 18(89.56,142.72) 19(63.97,142.72) 20(38.38,142.72) 21(12.8,142.72) 22(-12.8,142.72) 23(-38.39,142.72) 24(-63.98,142.72) 25(-89.57,142.72) 26(-115.16,142.72) 27(-140.75,142.72) 28(-166.34,142.72)
  silkscreen extent -205,-148 201,102, body extent -203,-153 203,153, height 85
"TACT 6mm" [mm]
  rect 1.55x1.3 smd: 1(-3.975,-2.25) 1(3.975,-2.25) 2(-3.975,2.25) 2(3.975,2.25)
  silkscreen extent -3,-3 3,3, body extent -3,-3 3,3, height 5
TP [mm] "Test Point, Single Side, No Hole"
  round 1 smd: 1(0,0)
"TVS (3D) - 0603" [mm]
  rect 1.1x1 smd: 1(0.85,0) 2(-0.85,0)
  silkscreen extent -1.65,-0.76 -0.13,0.76, body extent -0.8,-0.4 0.8,0.4, height 0.72

## Part data
BT1: "Multicell Battery"
C1 C2 C3 C16A C16B C16C C16D C17A C17B C17C C17D: library part CAP, "CAPACITOR SMD 0402"
C1A C1B C1C C1D C2A C2B C2C C2D C3A C3B C3C C3D C12A C12B C12C C12D C13A C13B C13C C13D C15A C15B C15C C15D C19 C20 C21: library part Cap, "Capacitor"
C10A C10B C10C C10D C14A C14B C14C C14D: library part CAP, "CAPACITOR SMD 0603"
C11A C11B C11C C11D: library part "Cap Pol1", "Polarized Capacitor (Radial)"
C18: "Capacitor"
C22 C23: library part "CAP SMD 0603 100nF", "CAPACITOR SMD 0603"
C24 C25: library part "CAP SMD 0603 1nF", "CAPACITOR SMD 0603"
D1 D2 D3 D4 D5 D6 D7 D8 D8 D9 D10 D11 D12 D13 D14: library part "LED 3mm RED", "3mm RED LED"
D1A D1B D1C D1D D2A D2B D2C D2D: library part DIODE, "DIODE, POWER"
D3A D3B D3C D3D D4A D4B D4C D4D: library part "D Zener", "Zener Diode"
D7A D7B D7C D7D: "DUAL DIODE, SCHOTTKY"
D9: library part "LED 3mm GREEN", "3mm GREEN LED"
D10 D11: library part "TVS DIODE", "Transient Voltage Suppression (TVS) Diode"
D15 D16: "DUAL DIODE, BAV99"
F1A F1B F1C F1D F2: library part "Fuse 2", "Fuse"
ICSP1A ICSP1B ICSP1C ICSP1D: library part "ICSP - TAG CONNECT"
J1A J1B J1C J1D: library part "Phonejack Stereo SW", "3-Conductor Jack with 2 break contacts (normals) and 2 auxiliary make contacts"
L1: library part "INDUCTOR SMD 1210 100uH", "INDUCTOR SMD 1210"
P1: "Header, 5-Pin"
P2A P2B P2C P2D: library part "Header 2", "Header, 2-Pin"
P3: library part "MICRO USB", "MICRO USB"
R1 R2 R3 R4 R5 R6 R7 R8 R24 R27: library part "RES SMD 0603 590R", "RESISTOR SMD 0603 590R"
R1A R1B R1C R1D R2A R2B R2C R2D R3A R3B R3C R3D R4A R4B R4C R4D R5A R5B R5C R5D R18A R18B R18C R18D: library part "RES SMD 0603", "RESISTOR SMD 0603"
R6A R6B R6C R6D R8A R8B R8C R8D R9A R9B R9C R9D R10A R10B R10C R10D R23: library part "RES SMD 0603 10k", "RESISTOR SMD 0603 10k"
R7A R7B R7C R7D: library part Res2, "Resistor"
R11: library part RES, "ZERO OHM LINK"
R17A R17B R17C R17D R20A R20B R20C R20D R22A R22B R22C R22D: library part "RES SMD 0603 1k", "RESISTOR SMD 0603 1k"
R19A R19B R19C R19D R21A R21B R21C R21D: library part "RES SMD 0603 100R", "RESISTOR SMD 0603"
R25 R26 R28: library part "RES SMD 0603 0R", "RESISTOR SMD 0603 0R"
S1 S2: library part "TACT SWITCH ALPS SKQMAQ", "Switch"
U1: library part PIC16F87/88, "PIC16F88"
U1A U1B U1C U1D: "Quadruple Bilateral Analog Switch"
U2A U2B U2C U2D: library part MAX495CSA, "Single Voltage-Feedback Operational Amplifier"
U4A U4B U4C U4D: library part MCP6L01, "MCP6L01"
U5A U5B U5C U5D: library part PIC16F1823
U6A U6B U6C U6D U7A U7B U7C U7D: library part FL817, "4-Pin Phototransistor Optocoupler"
U8 U9 U11: "Hex Inverter"
U10A U10B U10C U10D: "3-Terminal Positive Fixed Voltage Regulator"
U12: "PL2303 USB to 232 Converter (FT232 Compatible)"
Y1A Y1B Y1C Y1D Y2: "Crystal Oscillator"

## Free pads (board coordinates)
  round 5 hole 3 unplated: 0(-70,25.7) 0(-70,44.7) 0(-5,25.7) 0(-5,44.7) 0(5,25.7) 0(5,44.7) 0(70,25.7) 0(70,44.7)
  round 6 hole 3.2: 0(44,-29) 0(44,13) 0(44,13) 0(67,-29) 0(67,13)

## Via types
v1: diameter 0.61, hole 0.305, Top Layer to Bottom Layer, 266 vias

## Nets (pads, with @x,y where several pads share a name; then routed paths per layer and width w, separated by ;. In a path a pad name is that pad's centre, name@x,y a point inside that pad or via, vN(x,y) a via of type N, cw(c..) or ccw(c..) an arc to the next point about the centre after c; other vN are vias at no path point)
3V3: C23.1 R28.1 U12.4 U12.17 U12.19 | length 20.5
  Top Layer w0.381: R28.1@-62.974,-20.917 -62.173,-20.917 -60.903,-22.187 -59.76,-22.187 ; U12.17@-59.764,-20.097 -59.764,-22.183 -59.76,-22.187 ; C23.1@-59.379,-23.242 -59.379,-22.187 ; U12.4@-54.564,-12.847 -54.564,-16.737 -55.061,-17.234 -57.982,-17.234 -58.464,-17.716 U12.19@-58.464,-20.097 -58.464,-21.653 -58.998,-22.187 -59.379,-22.187 ; -59.76,-22.187 -59.379,-22.187
AMPS_IN_1A: F1A.1 J1A.5 | length 3.7
  Top Layer w0.381: F1A.1@21.49,-46.096 23.138,-46.096 23.279,-46.237 J1A.5@25.156,-46.237
AMPS_IN_1B: F1B.1 J1B.5 | length 4.3
  Top Layer w0.381: F1B.1@21.396,-31.077 23.806,-31.077 J1B.5@25.156,-29.727
AMPS_IN_1C: F1C.1 J1C.5 | length 4.3
  Top Layer w0.381: F1C.1@21.396,-14.567 23.806,-14.567 J1C.5@25.156,-13.217
AMPS_IN_1D: F1D.1 J1D.5 | length 4.3
  Top Layer w0.381: F1D.1@21.396,1.943 23.806,1.943 J1D.5@25.156,3.293
BUTTON_0: S1.2 U1.6 | length 38.2
  Top Layer w0.381: v1(41.5,-5) 41.5,-11.826 44.699,-15.025 S1.2@45.75,-15.025 S1.2@45.75,-22.975
  Bottom Layer w0.381: v1(41.5,-5) 41.105,-4.605 41.105,2.105 43,4 49,4 49.27,4.27 U1.6@50.825,4.27
CHANNEL_SAMPLE1: R4A.2 TP5A.1 U2A.6 U5A.11 | length 17.5
  Top Layer w0.381: U5A.11@-15.47,-44.826 -15.47,-46.985 -15.089,-47.366 -7.215,-47.366 ; R4A.2@-7.215,-45.676 -7.215,-47.366 ; U2A.6@-4.04,-45.271 v1(-4.04,-47.366) -7.215,-47.366
CHANNEL_SAMPLE2: R4B.2 TP5B.1 U2B.6 U5B.11 | length 17.5
  Top Layer w0.381: U5B.11@-15.564,-29.807 -15.564,-31.966 -15.183,-32.347 -7.309,-32.347 ; R4B.2@-7.309,-30.657 -7.309,-32.347 ; U2B.6@-4.134,-30.252 v1(-4.134,-32.347) -7.309,-32.347
CHANNEL_SAMPLE3: R4C.2 TP5C.1 U2C.6 U5C.11 | length 17.5
  Top Layer w0.381: U5C.11@-15.564,-13.297 -15.564,-15.456 -15.183,-15.837 -7.309,-15.837 ; R4C.2@-7.309,-14.147 -7.309,-15.837 ; U2C.6@-4.134,-13.742 v1(-4.134,-15.837) -7.309,-15.837
CHANNEL_SAMPLE4: R4D.2 TP5D.1 U2D.6 U5D.11 | length 17.5
  Top Layer w0.381: U5D.11@-15.564,3.213 -15.564,1.054 -15.183,0.673 -7.309,0.673 ; R4D.2@-7.309,2.363 -7.309,0.673 ; U2D.6@-4.134,2.768 v1(-4.134,0.673) -7.309,0.673
COMP_OSC_OUT: D15.3 U1.2 U1.3 | length 12
  Bottom Layer w0.381: D15.3@44,2.4 45.241,2.4 46,1.641 46,1 46.54,0.46 47.88,0.46 ; U1.2@50.825,-0.81 48.31,-0.81 47.88,-0.38 47.88,0.46 ; U1.3@50.825,0.46 47.88,0.46
DRIVE_1: C10A.1 U8.10 | length 17.8
  Top Layer w0.381: U8.10@-62.554,-35.382 -62.554,-37.173 -62.3,-37.427 -61.284,-37.427 -60.014,-38.697 -60.014,-42.507 -59.6,-42.921 C10A.1@-51.124,-42.921
DRIVE_2: C10B.1 U8.2 | length 9.9
  Top Layer w0.381: U8.2@-58.744,-30.582 -58.744,-28.537 -58.109,-27.902 C10B.1@-51.124,-27.902
DRIVE_3: C10C.1 U9.6 | length 33.4
  Top Layer w0.381: U9.6@-63.824,9.423 -63.824,7.277 -64.459,6.642 -65.221,6.642 -65.983,5.88 -65.983,3.022 -64.142,1.181 v1(-53.41,1.181) ; v1(-53.41,-8.852) C10C.1@-51.124,-8.852
  Bottom Layer w0.381: v1(-53.41,-8.852) v1(-53.41,1.181)
DRIVE_4: C10D.1 U9.2 | length 17.4
  Top Layer w0.381: U9.2@-58.744,9.423 -58.744,12.103 -58.109,12.738 -54.299,12.738 -53.664,12.103 -53.664,5.753 -53.029,5.118 C10D.1@-51.124,5.118